# KiCad board gopher_xiao_grove.kicad_pcb
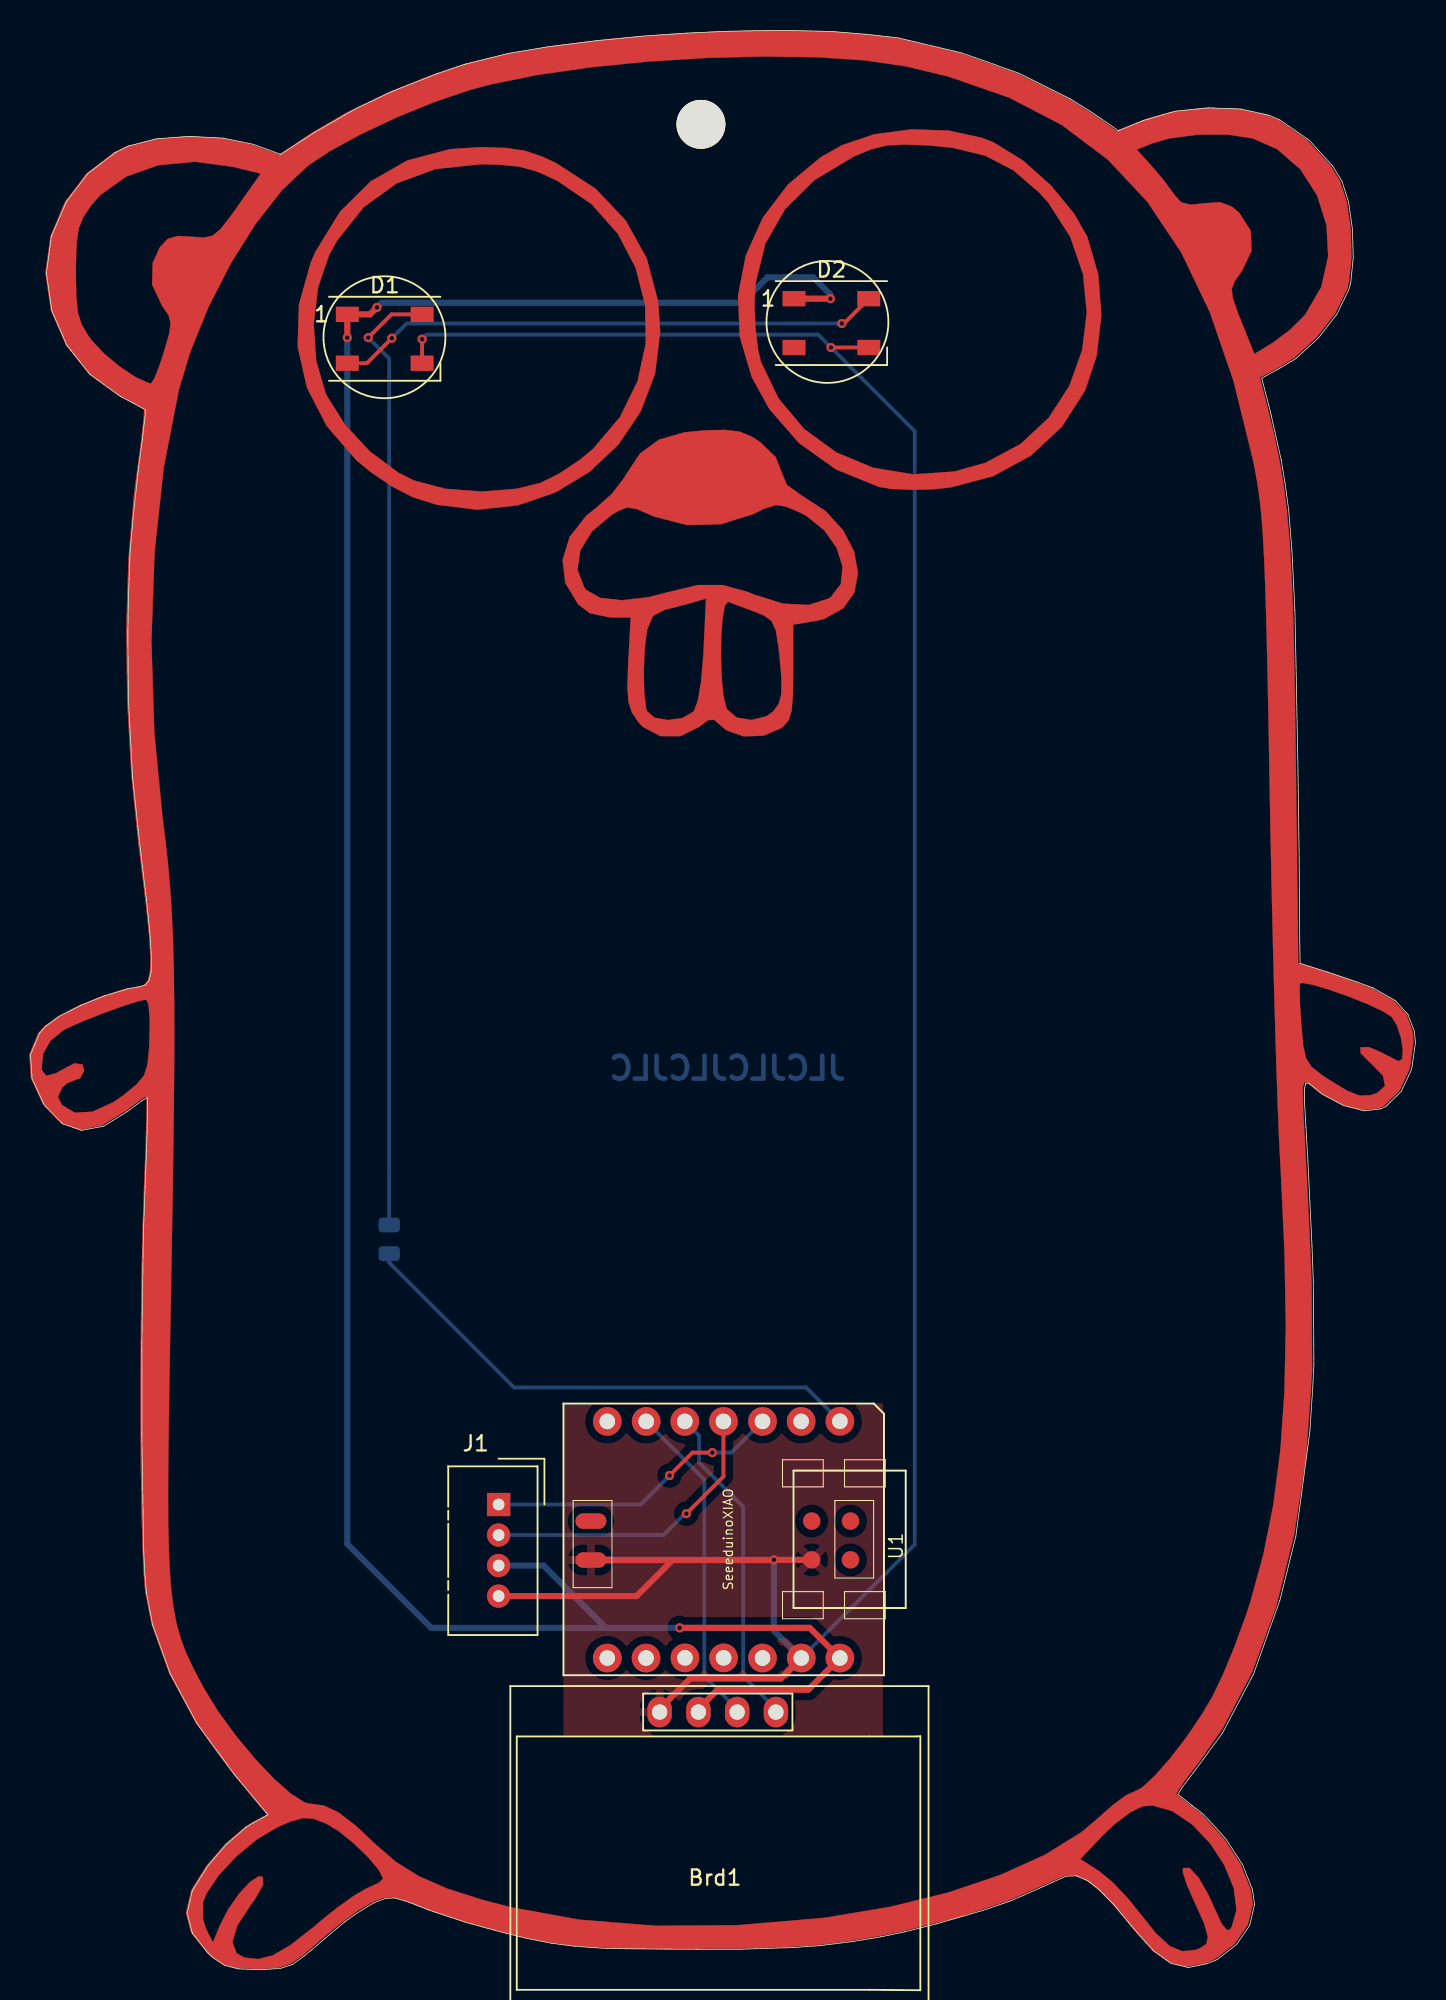
[diagram p0: board, top side]
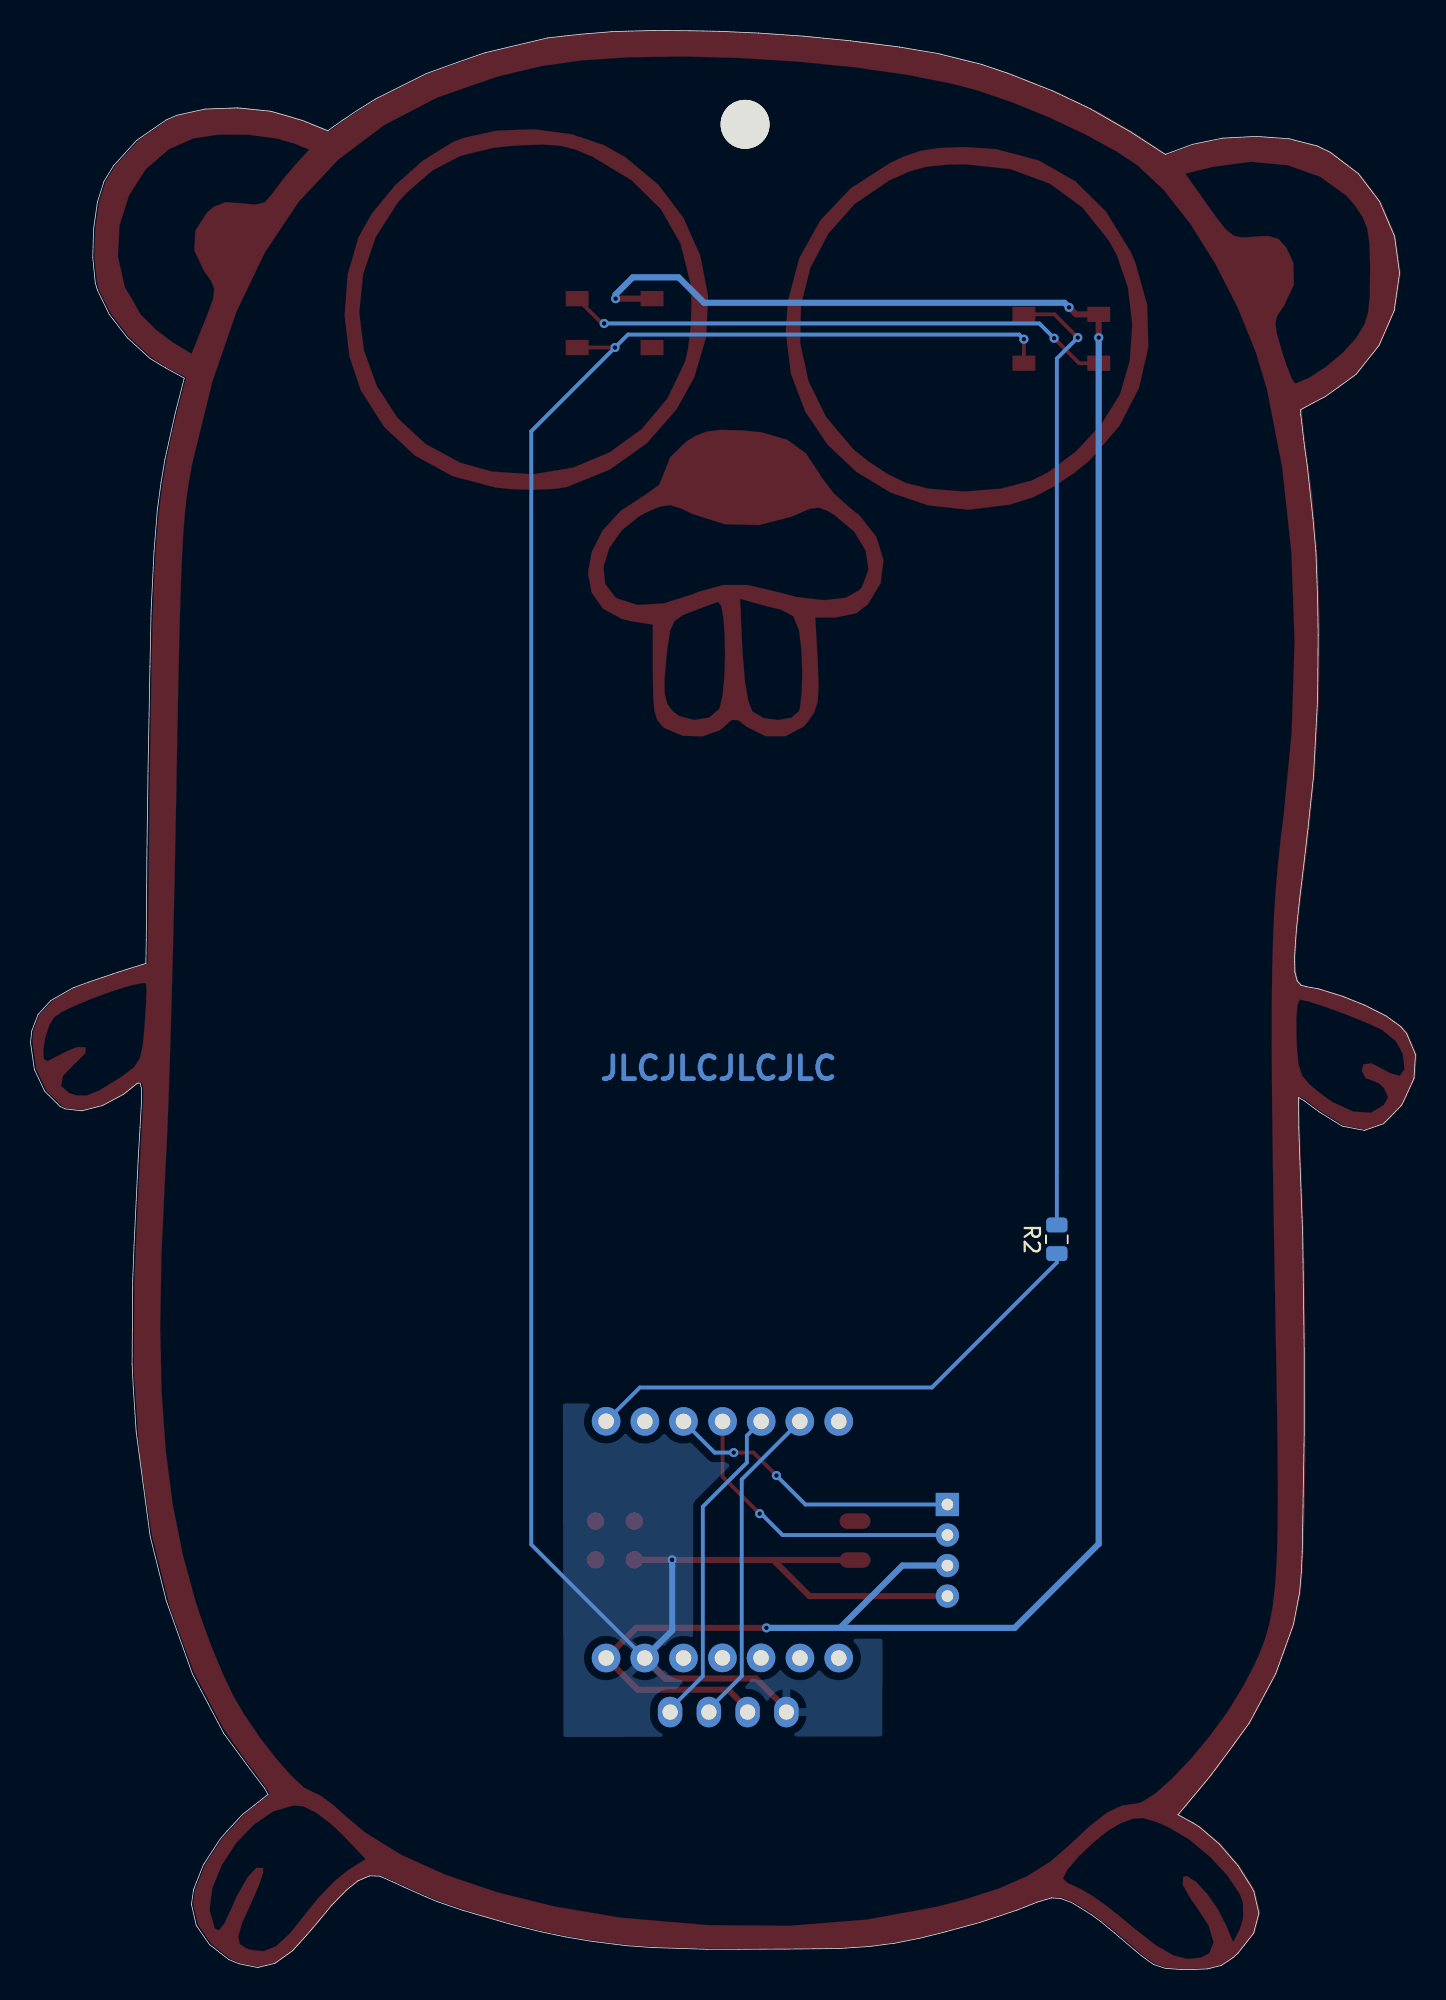
[diagram p1: board, bottom side, seen from below]

Outline 90.73 x 127.01 mm; copper layers: Top, Bottom. Coordinates in mm from the lower left corner of the outline.
Outline path: 0,59.93 0.58,61.32 0.98,61.77 1.94,62.47 3.3,63.16 4.79,63.75 6.35,64.24 7.14,64.38 7.51,64.48 7.76,64.77 7.9,65.33 7.92,66.23 7.86,67.31 7.79,68.31 7.59,70.09 7.33,72.28 7.05,74.7 6.68,78.17 6.41,83.22 6.38,87.4 6.41,89.85 6.53,92.94 6.72,95.07 7.09,98.45 7.33,100.22 7.44,101.26 7.52,101.83 7.52,102.17 6.78,102.58 5.91,103.04 5.05,103.64 3.89,104.5 2.39,106.39 1.4,108.66 1.04,111.13 1.37,113.54 2.36,115.82 3.75,117.64 5.59,119.04 6.45,119.46 8.28,119.93 10.43,120.08 12.62,119.96 14.61,119.56 16.38,118.9 18.62,120.35 21.34,121.91 23.77,123.06 26.68,124.21 28.45,124.8 31.31,125.51 33.81,125.93 37.02,126.34 40.08,126.64 43.03,126.85 45.62,126.96 47.54,127 49.99,127.01 51.54,126.97 52.68,126.94 54.69,126.77 56.85,126.53 60.97,125.55 62.79,124.92 64.8,124.19 68.12,122.53 69.44,121.7 70.23,121.17 70.94,120.68 71.25,120.45 72.91,121.12 74.24,121.51 75.02,121.73 77.17,121.95 79.29,121.87 81.14,121.46 81.84,121.16 83.77,119.82 85.29,118.15 85.92,117.13 86.35,115.77 86.6,113.98 86.65,112.14 86.49,110.48 86.35,110.01 85.57,108.42 84.38,106.88 83.35,105.94 82.89,105.52 81.9,104.93 81.09,104.48 80.66,104.24 81.24,101.97 81.93,98.91 82.18,97.38 82.42,95.61 82.64,92.89 82.83,89.01 82.91,85.34 83.03,78.46 83.11,72.82 83.15,67.45 83.17,65.9 85,65.33 86.91,64.68 87.95,64.3 89.4,63.47 90.23,62.56 90.65,61.47 90.73,60.71 90.47,58.95 89.8,57.53 88.8,56.54 88.47,56.38 87.36,56.25 86.02,56.59 84.63,57.33 83.73,58.05 83.55,58.06 83.46,57.73 83.46,56.77 83.55,55.17 83.68,53 83.81,50.37 83.95,47.45 84.04,45.11 84.07,39.65 84,38.1 83.81,35.22 82.89,28.38 81.84,24.16 80.12,19.35 78.08,15.48 76.58,13.44 75.41,11.89 75.17,11.47 76.09,10.74 76.84,10.16 77.84,9.08 78.3,8.56 79.36,6.92 79.4,6.87 80.05,5.23 80.19,4.27 79.87,2.88 79.01,1.64 77.74,0.65 77.05,0.37 75.84,0.13 74.73,0.39 73.57,1.22 72.66,2.24 71.95,3.06 70.99,4.22 70.04,5.19 69.28,5.8 68.5,6.13 67.83,6.11 67.01,5.74 66.32,5.42 64.83,4.76 64.08,4.45 62.41,3.87 59.35,2.98 57.26,2.46 55.68,2.13 53.94,1.84 51.71,1.56 49.96,1.44 46.42,1.32 44.32,1.32 41.31,1.33 37.76,1.37 35.71,1.51 34.14,1.71 32.47,2.04 30.98,2.41 28.55,3.07 26.1,3.89 24.79,4.41 23.84,4.69 23.24,4.65 22.54,4.39 22.01,4.08 21.22,3.58 20.61,3.14 19.74,2.41 18.43,1.3 17.91,0.86 17.16,0.33 16.4,0.08 15.39,0 14.55,0 13.61,0.04 12.71,0.27 11.95,0.77 11.63,1.07 10.6,2.37 10.26,3.68 10.59,5.12 10.73,5.37 11.63,6.81 12.85,8.22 14.14,9.32 14.58,9.6 15.56,10.13 15.02,10.77 13.69,12.37 13.39,12.75 12.19,14.35 10.9,16.13 9.77,18.24 9.16,19.38 8,22.58 7.59,24.69 7.48,25.98 7.42,27.41 7.29,35.14 7.29,40.51 7.39,48.2 7.59,53.56 7.65,55.16 7.66,57.12 7.28,56.9 6.3,56.17 4.8,55.25 3.34,54.97 2.1,55.4 0.97,56.55 0.86,56.71 0.1,58.36 0,59.93

## Placement (name value [footprint] x y rotation side)
Brd1  SSD1306  [128x64OLED]  44.83 6.26 0 top
D1  WS2812B  [LED_WS2812B_PLCC4_5.0x5.0mm_P3.2mm]  23.2 106.82 0 top
D2  WS2812B  [LED_WS2812B_PLCC4_5.0x5.0mm_P3.2mm]  52.46 107.85 0 top
G***  LOGO  [gopher1]  45.24 63.54 0 top
J1  Conn_01x04  [NS-Tech_Grove_1x04_P2mm_Vertical]  30.66 30.46 0 top
R2  330  [R_0805_2012Metric]  23.5 47.83 90 bottom
REF**  -  [MountingHole_3.2mm_M3]  43.92 120.87 0 top
U1  SeeeduinoXIAO  [Seeeduino XIAO-MOUDLE14P-2.54-21X17.8MM_PinSocket]  34.91 37.07 270 top

## Library data of the parts
Brd1 = -: ki_fp_filters: SSD1306-128x64_OLED:SSD1306
D1 D2 = -: Datasheet: https://cdn-shop.adafruit.com/datasheets/WS2812B.pdf; ki_fp_filters: LED*WS2812*PLCC*5.0x5.0mm*P3.2mm*
J1 = -: Description: Generic connector, single row, 01x04, script generated (kicad-library-utils/schlib/autogen/connector/); ki_fp_filters: Connector*:*_1x??_*
R2 = -: ki_fp_filters: R_*

## Footprints (pads in the part's own frame, mm; a bottom-side part is the same pattern mirrored in y, then rotated)
128x64OLED
  oval 1.6x2 hole 1: 1(-3.62,10.6) 2(-1.08,10.6) 3(1.46,10.6) 4(4,10.6)
LED_WS2812B_PLCC4_5.0x5.0mm_P3.2mm
  rect 1.5x1 smd: 1(-2.45,1.6) 2(-2.45,-1.6) 3(2.45,-1.6) 4(2.45,1.6)
MountingHole_3.2mm_M3
  round 3.2 hole 3.2 unplated: (0,0)
NS-Tech_Grove_1x04_P2mm_Vertical
  rect 1.524x1.524 hole 0.762: 1(0,0)
  round 1.524 hole 0.762: 2(0,-2) 3(0,-4) 4(0,-6)
R_0805_2012Metric
  rrect 0.975x1.4 smd: 1(-0.938,0) 2(0.938,0)
Seeeduino XIAO-MOUDLE14P-2.54-21X17.8MM_PinSocket
  round 1.88 hole 1.016: 1(1.16,18.11) 2(1.17,15.57) 3(1.17,13.04) 4(1.17,10.48) 5(1.17,7.95) 6(1.17,5.42) 7(1.17,2.87) 8(16.67,2.87) 9(16.67,5.41) 10(16.66,7.96) 11(16.66,10.49) 12(16.67,13.04) 13(16.67,15.58) 14(16.67,18.11)
  oval 1.016x2.032 smd: 15(7.7,1.8) 16(10.25,1.8)
  round 1.143 smd: 17(7.699,18.804) 18(10.239,18.804) 19(7.699,16.264) 20(10.239,16.264)

## Nets
GND: Brd1.1 D1.3 D2.3 J1.4 U1.13 U1.16 U1.20
VCC: Brd1.2 D1.1 D2.1 J1.3 U1.14 U1.15
/PA02: R2.1 U1.1
Net-(Brd1-SCL): Brd1.3 U1.6
Net-(Brd1-SDA): Brd1.4 U1.5
Net-(D1-DIN): D1.4 R2.2
Net-(D1-DOUT): D1.2 D2.4
Net-(J1-Pin_1): J1.1 U1.3
Net-(J1-Pin_2): J1.2 U1.4

Pads without a net: D2 2; U1 2 7 8 9 10 11 12 17 18 19

## Via types
v1: diameter 0.6, hole 0.3, Top to Bottom, 13 vias

## Routing (per net, layer and track width the routed paths; a pad name or vN(x,y) marks a point on that pad's centre or on a via; arc(x,y) is an arc through that point)
GND: length 167.4
  Top w0.25: D1.3 25.65,106.79 v1(25.65,106.79) ; v1(52.44,106.25) 52.44,106.25 54.91,106.25
  Top w0.4: Brd1.1 41.21,17.06 43.21,19.06 49.15,19.06 U1.13 ; 42.06,26.82 48.69,26.82 v1(48.7,26.84) 48.7,26.83 U1.20 ; 42.06,26.82 U1.16 ; 42.06,26.82 39.7,24.46 J1.4
  Bottom w0.25: U1.13 57.92,27.83 57.92,100.76 v1(52.44,106.25) 51.59,107.09 25.95,107.09 v1(25.65,106.79)
  Bottom w0.4: U1.13 48.69,22.2 48.69,26.4 48.7,26.41 v1(48.7,26.84)
VCC: length 171.3
  Top w0.4: v1(42.52,22.38) 51.05,22.38 U1.14 50.95,18.33 45.02,18.33 43.75,17.06 Brd1.2 ; v1(52.4,109.45) 50.02,109.45 ; v1(20.75,106.9) D1.1 22.24,108.42 v1(22.69,108.88)
  Bottom w0.4: v1(52.4,109.45) 52.4,109.72 51.27,110.85 48.27,110.85 46.6,109.18 22.99,109.18 v1(22.69,108.88) ; v1(20.75,106.9) 20.75,27.88 26.25,22.38 37.69,22.38 ; J1.3 33.61,26.46 37.69,22.38 ; 37.69,22.38 v1(42.52,22.38)
/PA02: length 34.4
  Bottom w0.25: U1.1 50.81,38.12 31.68,38.12 23.5,46.31 R2.1
Net-(Brd1-SCL): length 21.5
  Bottom w0.25: Brd1.3 46.29,17.06 44.14,19.21 44.14,32.1 U1.6
Net-(Brd1-SDA): length 21.5
  Bottom w0.25: U1.5 43.8,34.96 43.8,33.2 46.69,30.31 46.69,19.2 48.83,17.06 Brd1.4
Net-(D1-DIN): length 62.9
  Top w0.25: v1(22.12,106.9) 23.65,108.42 D1.4
  Bottom w0.25: v1(22.12,106.9) 23.5,105.52 R2.2
Net-(D1-DOUT): length 35.9
  Top w0.25: v1(23.67,106.86) 22.03,105.22 D1.2 ; v1(53.15,107.82) 53.29,107.82 54.91,109.45
  Bottom w0.25: v1(23.67,106.86) 24.64,107.82 v1(53.15,107.82)
Net-(J1-Pin_1): length 19.5
  Top w0.25: v1(41.86,32.36) 43.36,33.86 v1(44.66,33.86)
  Bottom w0.25: v1(44.66,33.86) 45.91,33.86 U1.3 ; J1.1 39.96,30.46 v1(41.86,32.36)
Net-(J1-Pin_2): length 19.9
  Top w0.25: U1.4 45.39,32.29 v1(42.96,29.86)
  Bottom w0.25: v1(42.96,29.86) 42.86,29.86 41.46,28.46 J1.2

## Copper pours and planes (outline as drawn; the poured copper is in the pictures)
GND on Top: 34.92,37.12 55.84,37.1 55.83,15.23 34.91,15.28 34.92,15.27
GND on Top, Bottom: 34.9,37.06 34.89,37.07 55.85,37.07 55.82,15.23 34.92,15.27

## Text on the board
Bottom: JLCJLCJLCJLC
